# Altium PCB pay-ssm-v4-2.PcbDoc (part 4 of 4)
Units mm, origin at the board's own origin, x right, y up, seen from the top; angles counter-clockwise.
Board outline 127 x 55.12 mm, 6 copper layers (Top Layer, GND1, VCC, 3V3, GND2, Bottom Layer), stack 0.816 mm thick; 295 components, 222 nets, 1035 pads, 478 vias.
Unrouted connection lines stored in the file: 119.
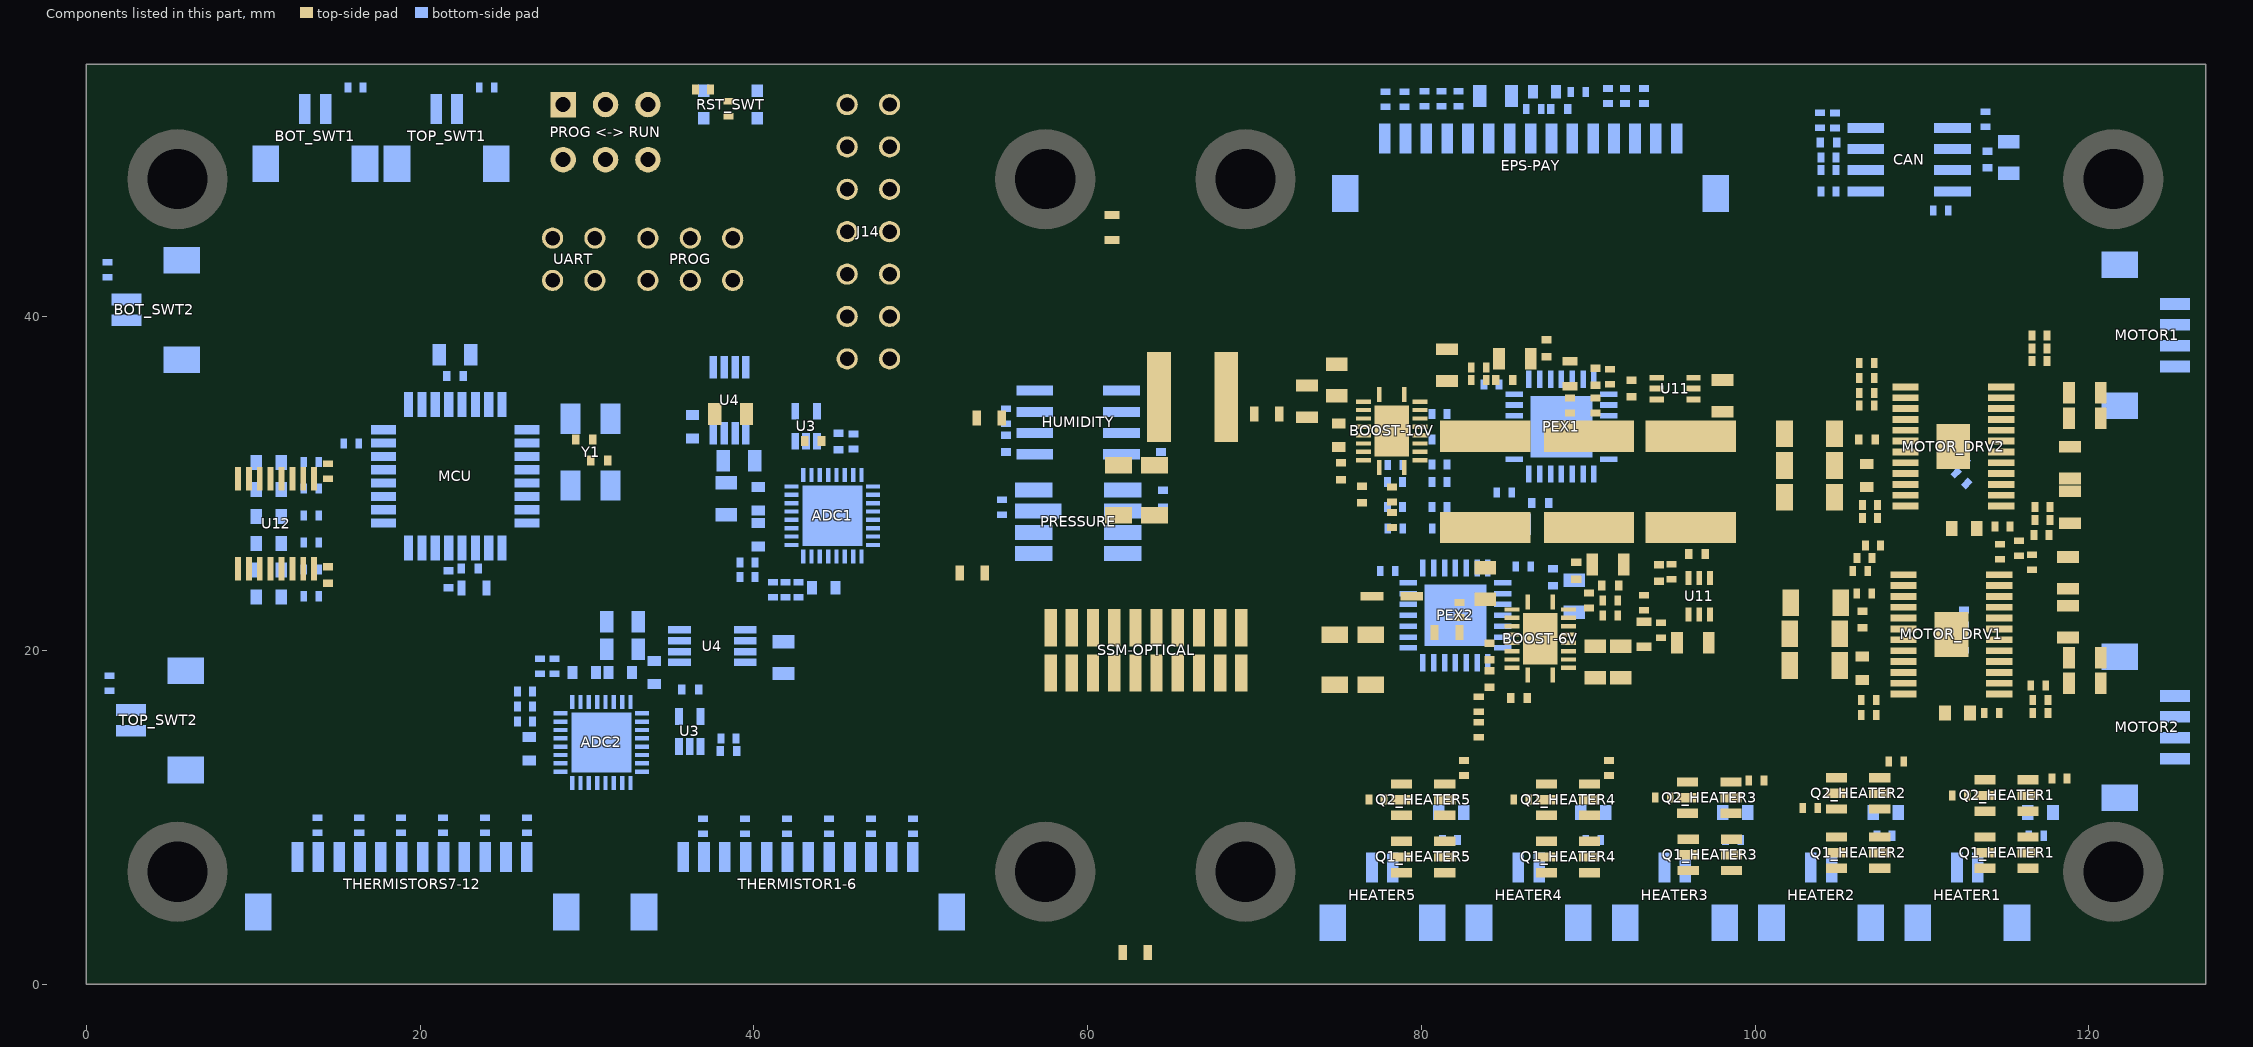
[diagram p8: the components of this part, seen from the top]

## Polygon pours and split planes (outlines as drawn) (continued)
GND on GND2 "GND-3V3" (solid, pour order 389): 0.127,0 127,0 127,54.864 0,54.864

## Silkscreen, mask and mechanical layers (free items; w line width, h text height)
Bottom Overlay:
  text "RX" at 31.496,41.275 h1
  text "TX" at 31.496,38.989 h1
Route Tool Path:
  lines w0.1: 0,20.32 0,0 127,0 127,13.779 127,20.955 120.65,20.955 120.65,33.02 127,33.02 127,41.338 127,55.118 0,55.118 0,35.56 6.985,35.56 6.985,20.32